# KiCad board Atrocious_Hackpad.kicad_pcb
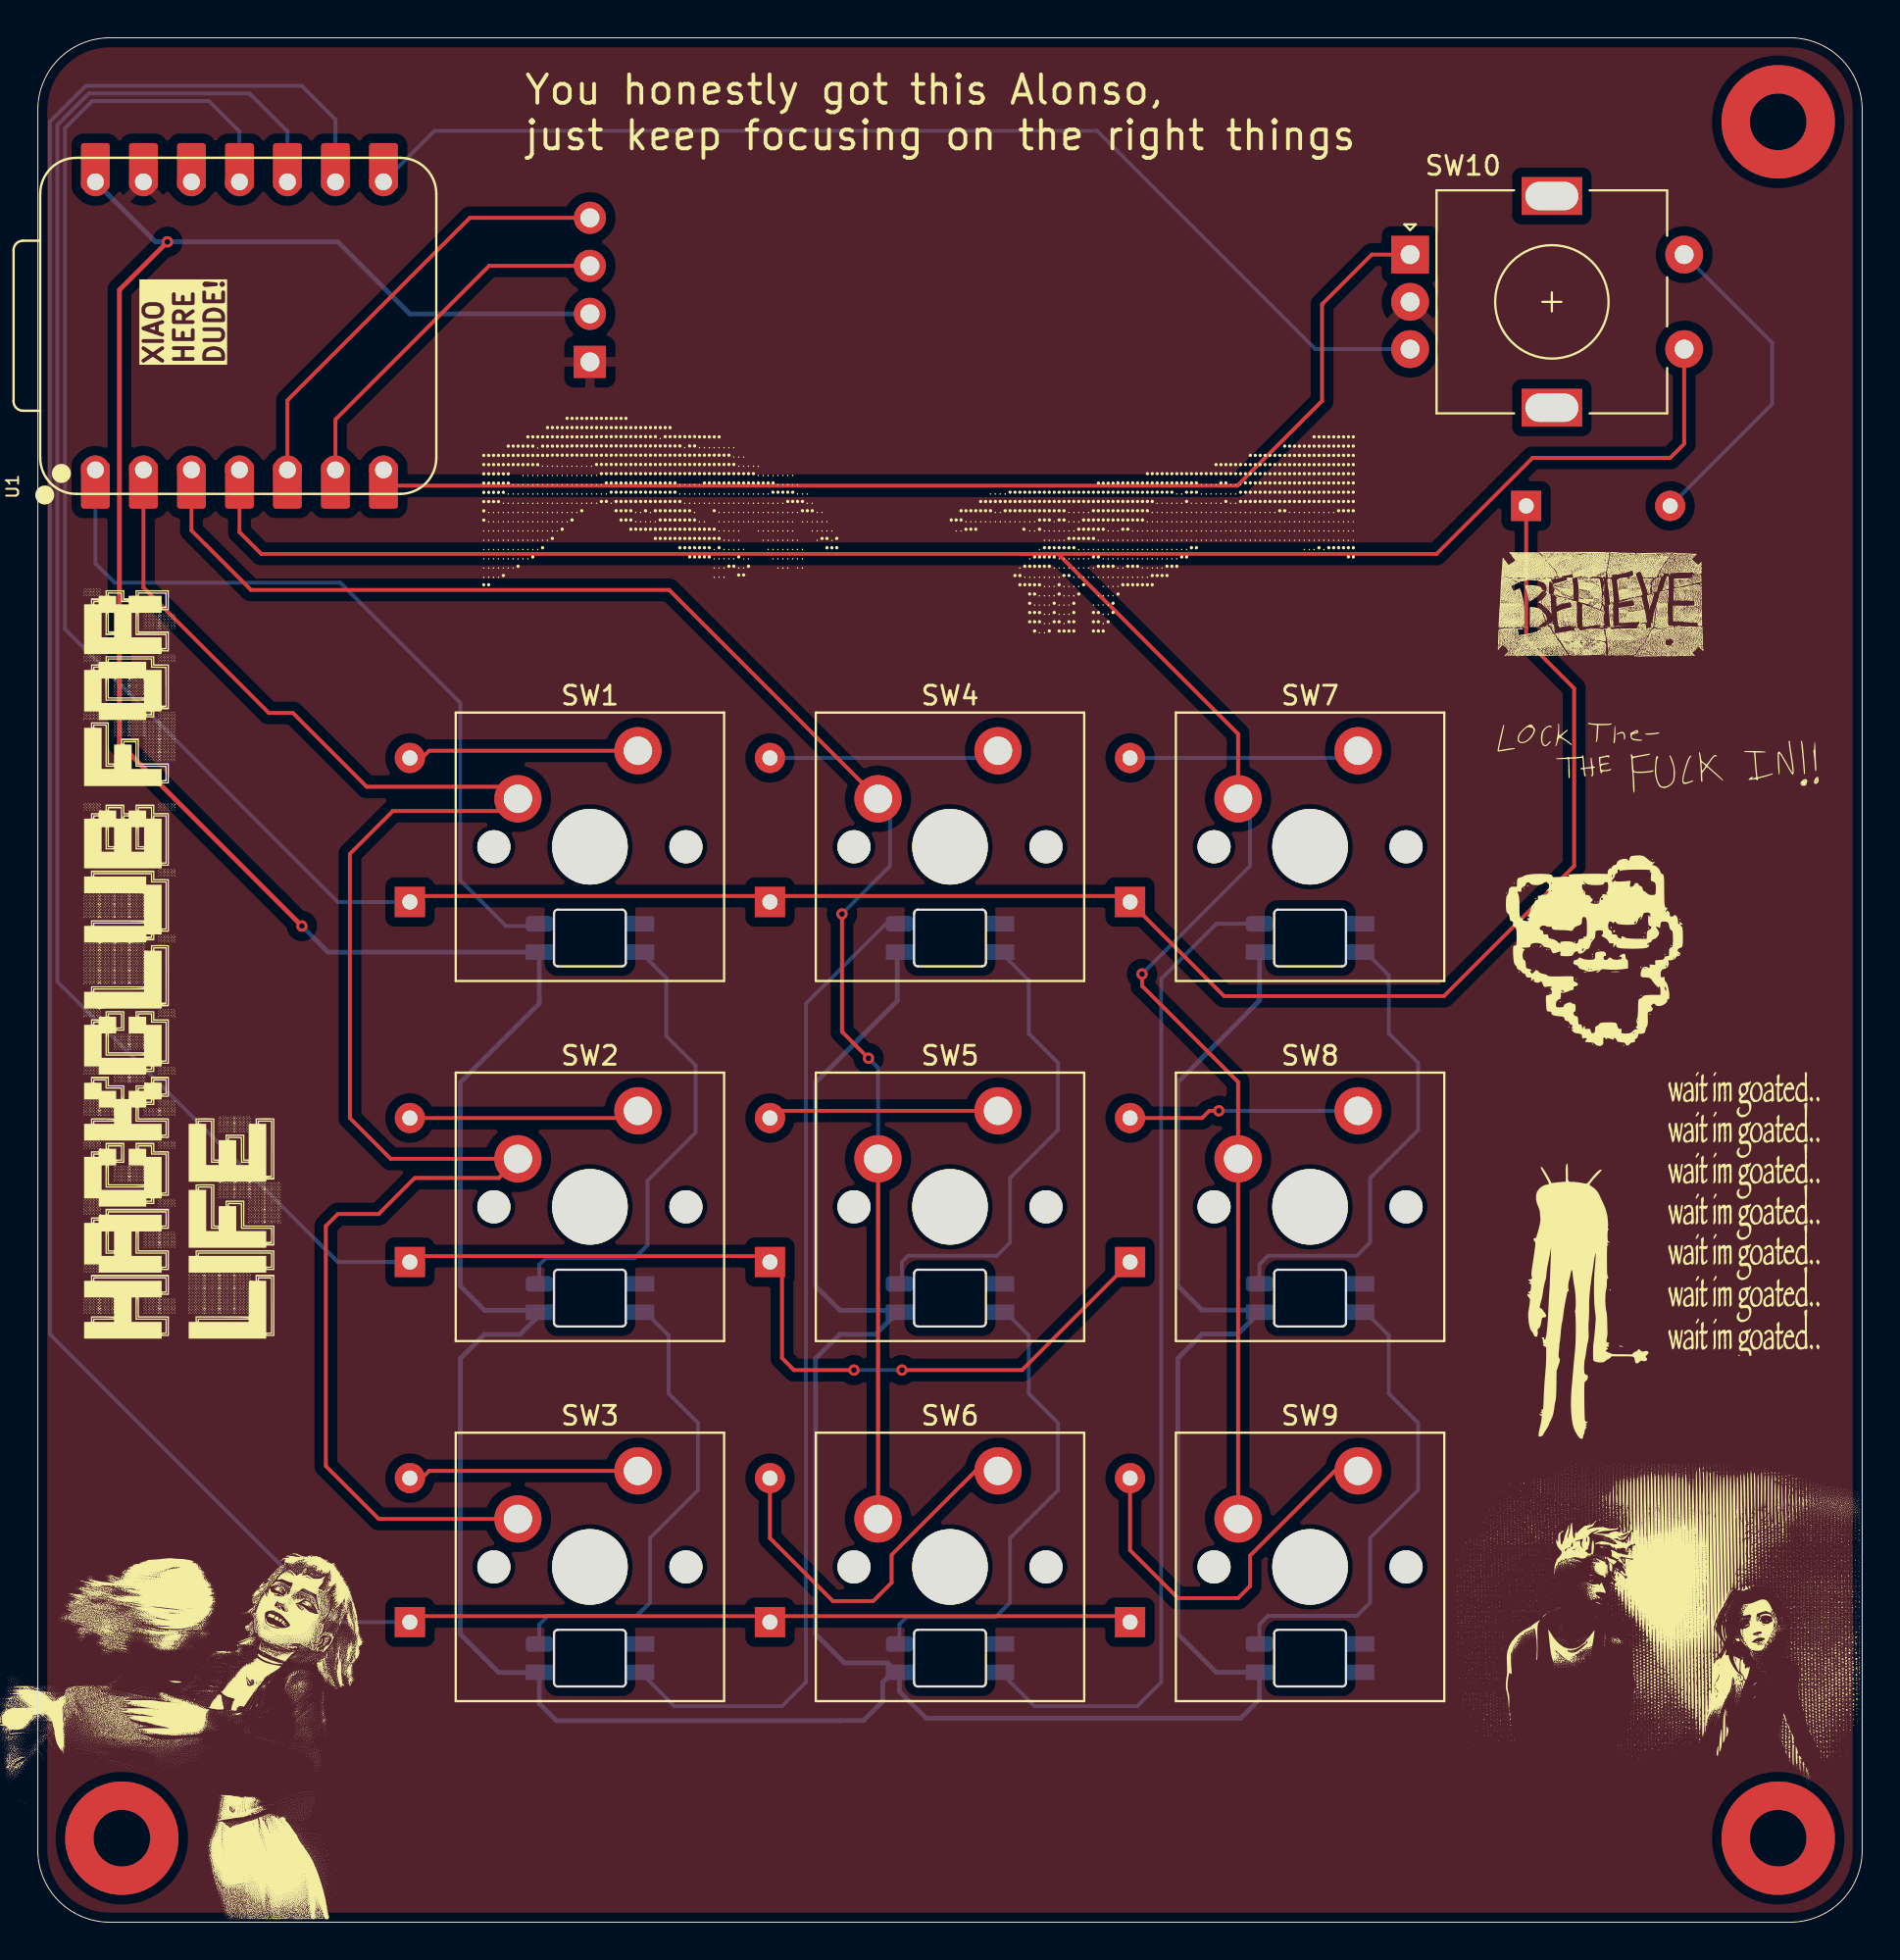
[diagram p0: board, top side]
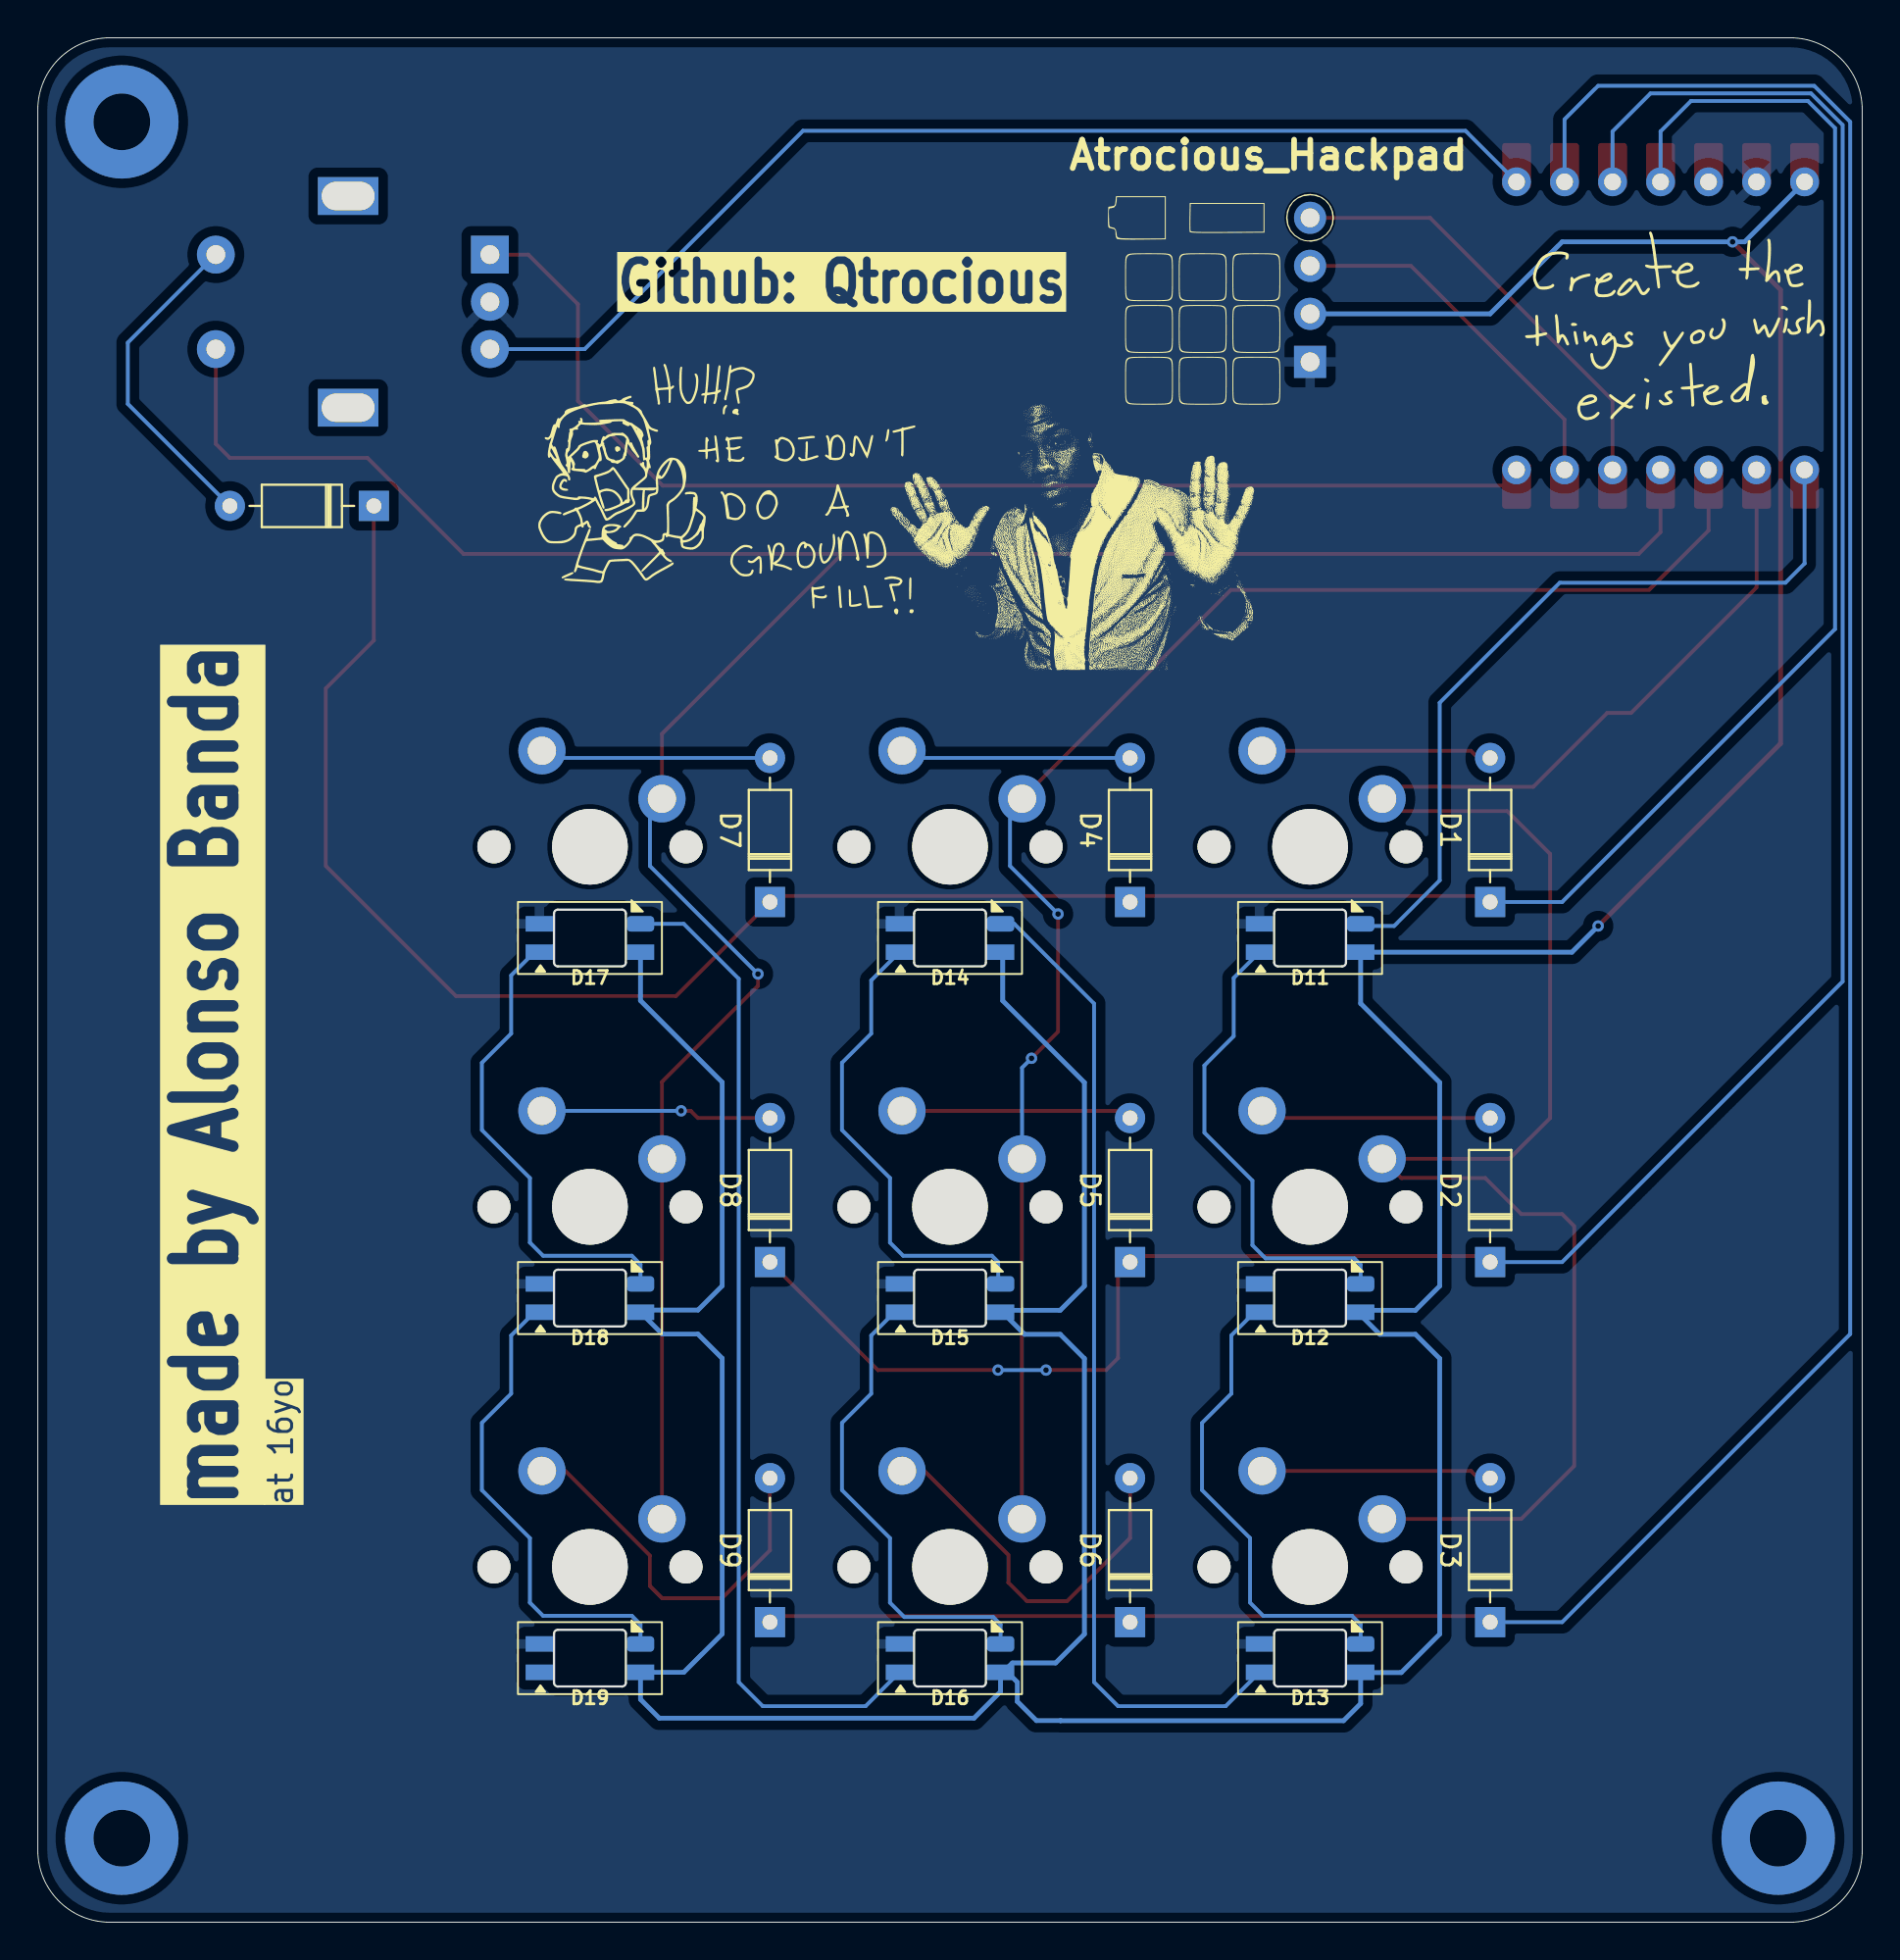
[diagram p1: board, bottom side, seen from below]

Outline 96.52 x 99.7 mm; copper layers: Top, Bottom. Coordinates in mm from the lower left corner of the outline.
Outline path: 0,95.89 0,3.81 arc(1.12,1.12) 3.81,0 92.71,0 arc(95.4,1.12) 96.52,3.81 96.52,95.89 arc(95.4,98.58) 92.71,99.7 3.81,99.7 arc(1.12,98.58) 0,95.89
Stack: Top 0.035mm / dielectric 1.51mm FR4 er 4.5 / Bottom 0.035mm

## Placement (name value [footprint] x y rotation side)
Atrocious_Hackpad  -  [LOGO]  33.95 85.86 180 bottom
D1  1N4148  [D_DO-35_SOD27_P7.62mm_Horizontal]  19.69 53.98 90 bottom
D2  1N4148  [D_DO-35_SOD27_P7.62mm_Horizontal]  19.69 34.92 90 bottom
D3  1N4148  [D_DO-35_SOD27_P7.62mm_Horizontal]  19.69 15.88 90 bottom
D4  1N4148  [D_DO-35_SOD27_P7.62mm_Horizontal]  38.73 53.98 90 bottom
D5  1N4148  [D_DO-35_SOD27_P7.62mm_Horizontal]  38.73 34.92 90 bottom
D6  1N4148  [D_DO-35_SOD27_P7.62mm_Horizontal]  38.73 15.88 90 bottom
D7  1N4148  [D_DO-35_SOD27_P7.62mm_Horizontal]  57.78 53.98 90 bottom
D8  1N4148  [D_DO-35_SOD27_P7.62mm_Horizontal]  57.78 34.92 90 bottom
D9  1N4148  [D_DO-35_SOD27_P7.62mm_Horizontal]  57.78 15.88 90 bottom
D10  1N4148  [D_DO-35_SOD27_P7.62mm_Horizontal]  78.74 74.93 0 bottom
D11  SK6812MINI  [SK6812-MINI-E]  29.21 52.07 180 bottom
D12  SK6812MINI  [SK6812-MINI-E]  29.21 33.02 180 bottom
D13  SK6812MINI  [SK6812-MINI-E]  29.21 13.97 180 bottom
D14  SK6812MINI  [SK6812-MINI-E]  48.26 52.07 180 bottom
D15  SK6812MINI  [SK6812-MINI-E]  48.26 33.02 180 bottom
D16  SK6812MINI  [SK6812-MINI-E]  48.26 13.97 180 bottom
D17  SK6812MINI  [SK6812-MINI-E]  67.31 52.07 180 bottom
D18  SK6812MINI  [SK6812-MINI-E]  67.31 33.02 180 bottom
D19  SK6812MINI  [SK6812-MINI-E]  67.31 13.97 180 bottom
G***  -  [LOGO]  90.17 37.47 0 top
G***#2  -  [LOGO]  85.73 15.24 0 top
G***#3  -  [LOGO]  82.55 51.44 0 top
G***#4  -  [LOGO]  46.61 73.91 0 top
G***#5  -  [LOGO]  82.55 69.78 0 top
G***#6  -  [LOGO]  85.73 61.59 0 top
G***#7  -  [LOGO]  7.49 50.67 90 top
G***#8  -  [LOGO]  78.11 33.02 0 top
G***#9  -  [LOGO]  7.62 10.16 0 top
G***#10  -  [LOGO]  41.82 73.75 180 bottom
G***#11  -  [LOGO]  9.9 84.46 180 bottom
G***#12  -  [LOGO]  60.07 75.82 180 bottom
J1  Conn_01x04  [OLED_128x32]  27.61 92.35 0 top
SW1  SW_Push  [MX_PCB_1.00u]  29.21 56.9 0 top
SW2  SW_Push  [MX_PCB_1.00u]  29.21 37.85 0 top
SW3  SW_Push  [MX_PCB_1.00u]  29.21 18.8 0 top
SW4  SW_Push  [MX_PCB_1.00u]  48.26 56.9 0 top
SW5  SW_Push  [MX_PCB_1.00u]  48.26 37.85 0 top
SW6  SW_Push  [MX_PCB_1.00u]  48.26 18.8 0 top
SW7  SW_Push  [MX_PCB_1.00u]  67.31 56.9 0 top
SW8  SW_Push  [MX_PCB_1.00u]  67.31 37.85 0 top
SW9  SW_Push  [MX_PCB_1.00u]  67.31 18.8 0 top
SW10  RotaryEncoder_Switch  [RotaryEncoder_Alps_EC11E-Switch_Vertical_H20mm]  72.6 88.22 0 top
U1  -  [XIAO-RP2040-DIP]  10.67 84.46 90 top

## Library data of the parts
D1-D10 = -: Datasheet: https://assets.nexperia.com/documents/data-sheet/1N4148_1N4448.pdf; Description: 100V 0.15A standard switching diode, DO-35; Sim.Device: D; Sim.Pins: 1=K 2=A; ki_fp_filters: D*DO?35*
D11-D19 = -: Datasheet: https://cdn-shop.adafruit.com/product-files/2686/SK6812MINI_REV.01-1-2.pdf; Description: RGB LED with integrated controller; ki_fp_filters: LED*SK6812MINI*PLCC*3.5x3.5mm*P1.75mm*
J1 = -: Description: Generic connector, single row, 01x04, script generated (kicad-library-utils/schlib/autogen/connector/); ki_fp_filters: Connector*:*_1x??_*
SW1-SW9 = -: Description: Push button switch, generic, two pins
SW10 = -: Description: Rotary encoder, dual channel, incremental quadrate outputs, with switch; ki_fp_filters: RotaryEncoder*Switch*

## Footprints (pads in the part's own frame, mm; a bottom-side part is the same pattern mirrored in y, then rotated)
D_DO-35_SOD27_P7.62mm_Horizontal
  rect 1.6x1.6 hole 0.8: 1(0,0)
  oval 1.6x1.6 hole 0.8: 2(7.62,0)
MX_PCB_1.00u
  round 1.75 hole 1.75 unplated: (-5.08,0) (5.08,0)
  round 4 hole 4 unplated: (0,0)
  round 2.5 hole 1.5: 1(-3.81,2.54) 2(2.54,5.08)
OLED_128x32
  rect 1.7x1.7 hole 1: 1(1.6,-9.8)
  oval 1.7x1.7 hole 1: 2(1.6,-7.26) 3(1.6,-4.72) 4(1.6,-2.18)
RotaryEncoder_Alps_EC11E-Switch_Vertical_H20mm
  rect 2x2 hole 1: A(0,0)
  round 2 hole 1: B(0,-5) C(0,-2.5) S1(14.5,-5) S2(14.5,0)
  rect 3.2x2 hole 2.8x1.5: MP(7.5,3.1) MP(7.5,-8.1)
SK6812-MINI-E
  rect 1.45x0.82 smd: 1(-2.675,-0.75) 2(-2.675,0.75) 4(2.675,-0.75)
  rrect 1.45x0.82 smd: 3(2.675,0.75)
XIAO-RP2040-DIP
  rrect 2.432x1.524 smd: 1(-8.455,7.62) 2(-8.455,5.08) 3(-8.455,2.54) 4(-8.455,0) 5(-8.455,-2.54) 6(-8.455,-5.08) 7(-8.455,-7.62) 8(8.455,-7.62) 9(8.455,-5.08) 10(8.455,-2.54) 11(8.455,0) 12(8.455,2.54) 13(8.455,5.08) 14(8.455,7.62)
  round 1.524 hole 0.889: 1(-7.62,7.62) 2(-7.62,5.08) 3(-7.62,2.54) 4(-7.62,0) 5(-7.62,-2.54) 6(-7.62,-5.08) 7(-7.62,-7.62) 8(7.62,-7.62) 9(7.62,-5.08) 10(7.62,-2.54) 11(7.62,0) 12(7.62,2.54) 13(7.62,5.08) 14(7.62,7.62)

## Nets
GND: D11.2 D12.2 D13.2 D14.2 D15.2 D16.2 D17.2 D18.2 D19.2 J1.1 SW10.C U1.13
VCC: D11.4 D12.4 D13.4 D14.4 D15.4 D16.4 D17.4 D18.4 D19.4 J1.2 U1.14
Column 1: SW1.1 SW2.1 SW3.1 U1.2
Column 2: SW4.1 SW5.1 SW6.1 U1.3
Column 3: SW7.1 SW8.1 SW9.1 SW10.S1 U1.4
EC11-A: D10.2 SW10.S2
ENC_A: SW10.A U1.7
ENC_B: SW10.B U1.8
Neopixels : D11.3 U1.1
Row 1: D1.1 D4.1 D7.1 D10.1 U1.11
Row 2: D2.1 D5.1 D8.1 U1.10
Row 3: D3.1 D6.1 D9.1 U1.9
SCL: J1.3 U1.6
SDA: J1.4 U1.5
Net-(D1-A): D1.2 SW1.2
Net-(D2-A): D2.2 SW2.2
Net-(D3-A): D3.2 SW3.2
Net-(D4-A): D4.2 SW4.2
Net-(D5-A): D5.2 SW5.2
Net-(D6-A): D6.2 SW6.2
Net-(D7-A): D7.2 SW7.2
Net-(D8-A): D8.2 SW8.2
Net-(D9-A): D9.2 SW9.2
Net-(D11-DOUT): D11.1 D12.3
Net-(D12-DOUT): D12.1 D13.3
Net-(D13-DOUT): D13.1 D14.3
Net-(D14-DOUT): D14.1 D15.3
Net-(D15-DOUT): D15.1 D16.3
Net-(D16-DOUT): D16.1 D17.3
Net-(D17-DOUT): D17.1 D18.3
Net-(D18-DOUT): D18.1 D19.3

Pads without a net: D19 1; SW10 MP; U1 12

## Via types
v1: diameter 6, hole 3, Top to Bottom, 3 vias
v2: diameter 0.6, hole 0.3, Top to Bottom, 8 vias

## Routing (per net, layer and track width the routed paths; a pad name or vN(x,y) marks a point on that pad's centre or on a via; arc(x,y) is an arc through that point)
VCC: length 275.9
  Top w0.25: v2(6.86,88.9) 4.32,86.36 4.32,62.36 v2(13.97,52.7)
  Bottom w0.2: 64.63,13.22 64.64,13.22
  Bottom w0.25: 45.47,13.21 44.96,13.72 42.67,13.72 41.15,15.24 41.15,29.82 42.43,31.1 44.32,31.1 45.47,32.26 ; 64.63,13.22 64.63,11.79 63.64,10.8 46.99,10.8 45.58,12.2 D16.4 ; 45.47,51.31 45.47,48.75 41.15,44.43 41.15,33.66 42.43,32.37 45.36,32.37 ; U1.14 6.22,88.9 v2(6.86,88.9) 15.88,88.9 19.69,85.09 J1.2 ; 64.64,51.32 64.64,48.76 60.31,44.44 60.31,33.67 61.59,32.39 64.52,32.39 64.64,32.27 63.48,31.12 61.59,31.12 60.31,29.83 60.31,15.25 62.34,13.22 64.64,13.22 ; v2(13.97,52.7) 15.35,51.32 D11.4 ; 26.67,51.31 26.53,51.17 26.53,48.61 22.35,44.43 22.35,33.66 23.63,32.37 26.43,32.37 D12.4 26.53,32.12 25.52,31.1 23.63,31.1 22.35,29.82 22.35,15.24 24.38,13.21 26.52,13.21 D13.4 26.53,11.56 27.44,10.66 42.41,10.66 42.42,10.67 43.69,10.67 44.7,11.68 44.7,12.7 45.08,13.08
(no net):
  vias: v1(4.44,4.45) v1(92.08,95.25) v1(92.08,4.45)
Column 1: length 99.3
  Top w0.2: SW3.1 18.03,21.34 15.24,24.13 15.24,36.83 15.88,37.47 18.03,37.47 19.94,39.37 24.38,39.37 SW2.1 18.67,40.39 16.51,42.55 16.51,56.52 18.78,58.78 24.75,58.78 SW1.1 24.77,60.07 17.4,60.07 13.5,63.97 12.23,63.97 5.59,70.61 U1.2
Column 2: length 84.8
  Top w0.2: U1.3 8.13,73.63 11.27,70.49 33.4,70.49 SW4.1 ; v2(42.55,53.34) 42.55,47.11 v2(43.95,45.71) ; SW6.1 SW5.1
  Bottom w0.2: SW4.1 45.08,58.8 45.08,55.88 v2(42.55,53.34) ; v2(43.95,45.71) 44.45,45.2 SW5.1
Column 3: length 148.4
  Top w0.2: v2(58.42,50.17) 58.42,49.53 63.5,44.45 SW8.1 SW9.1 ; 52.07,72.39 11.82,72.39 10.67,73.54 U1.4 ; 52.07,72.39 74,72.39 79.08,77.47 86.36,77.47 87.1,78.21 SW10.S1 ; 52.07,72.39 53.98,72.39 63.5,62.87 SW7.1
  Bottom w0.2: v2(58.42,50.17) 64.14,55.88 64.14,58.8 SW7.1
EC11-A: length 17.5
  Bottom w0.2: D10.2 91.76,80.33 91.76,83.57 SW10.S2
ENC_A: length 62.4
  Top w0.2: U1.7 63.46,76 67.95,80.49 67.95,85.6 70.57,88.22 SW10.A
ENC_B: length 60.2
  Bottom w0.2: SW10.B 67.59,83.22 56.04,94.77 20.99,94.77 U1.8
Neopixels : length 41.9
  Bottom w0.2: 3.05,76.84 3.05,71.88 4.06,70.87 16,70.87 22.35,64.52 22.35,55.12 24.77,52.7 26.42,52.7 D11.3
Row 1: length 151
  Top w0.2: D10.1 78.74,67.82 81.28,65.28 81.28,55.88 74.4,49 62.76,49 D7.1 57.47,54.29 39.05,54.29 D4.1 38.42,54.29 20,54.29 D1.1
  Bottom w0.2: U1.11 10.67,94.74 9.06,96.35 2.87,96.35 1.44,94.92 1.44,68.41 15.88,53.98 D1.1
Row 2: length 132.2
  Top w0.2: D2.1 20,35.24 38.42,35.24 D5.1 39.37,34.29 39.37,29.84 40.01,29.21 v2(43.18,29.21) ; v2(45.72,29.21) 52.07,29.21 D8.1
  Bottom w0.2: D2.1 15.88,34.92 1.04,49.76 1.04,95.08 2.71,96.75 11.2,96.75 13.21,94.74 U1.10 ; v2(45.72,29.21) v2(43.18,29.21)
Row 3: length 148.1
  Top w0.2: D9.1 57.47,16.19 39.05,16.19 D6.1 38.42,16.19 20,16.19 D3.1
  Bottom w0.2: U1.9 15.75,95.38 13.97,97.16 2.54,97.16 0.63,95.25 0.63,31.12 15.88,15.88 D3.1
SCL: length 20.3
  Top w0.2: J1.3 23.88,87.63 15.75,79.5 U1.6
SDA: length 24.5
  Top w0.2: J1.4 22.86,90.17 13.21,80.52 U1.5
Net-(D1-A): length 12.2
  Top w0.2: SW1.2 20.7,61.98 20.32,61.59 19.69,61.59
Net-(D2-A): length 12.2
  Top w0.2: D2.2 31.37,42.55 SW2.2
Net-(D3-A): length 12.2
  Top w0.2: D3.2 20.32,23.5 20.7,23.88 SW3.2
Net-(D4-A): length 12.2
  Bottom w0.2: SW4.2 50.42,61.59 38.73,61.59
Net-(D5-A): length 12.2
  Top w0.2: D5.2 39.12,42.93 SW5.2
Net-(D6-A): length 20.3
  Top w0.2: D6.2 38.73,20.32 42.06,16.99 44.2,16.99 45.17,17.96 45.17,19.44 49.61,23.88 SW6.2
Net-(D7-A): length 12.2
  Bottom w0.2: 57.78,61.59 69.47,61.59 SW7.2
Net-(D8-A): length 12.2
  Top w0.2: v2(62.48,42.93) 61.98,42.93 61.59,42.55 D8.2
  Bottom w0.2: v2(62.48,42.93) SW8.2
Net-(D9-A): length 20.7
  Top w0.2: D9.2 57.78,19.68 60.32,17.14 60.33,17.15 63.5,17.15 64.14,17.78 64.14,19.4 68.62,23.88 SW9.2
Net-(D11-DOUT): length 24.9
  Bottom w0.2: D11.1 33.25,49.95 33.25,46.88 34.8,45.33 34.8,41.77 32.26,39.23 32.26,35.82 31.56,35.12 26.87,35.12 26.53,34.79 D12.3
Net-(D12-DOUT): length 25.2
  Bottom w0.2: D12.1 32.15,32.27 33.38,31.04 33.38,27.96 34.92,26.42 34.92,22.86 32.38,20.32 32.38,16.91 31.69,16.21 26.99,16.21 26.53,15.75 D13.3
Net-(D13-DOUT): length 52.6
  Bottom w0.2: D14.3 44.86,52.82 40.64,48.6 40.64,12.7 39.37,11.43 33.67,11.43 D13.1
Net-(D14-DOUT): length 25
  Bottom w0.2: D15.3 45.71,33.9 45.71,34.93 46.04,35.26 50.74,35.26 51.43,35.95 51.43,39.37 53.98,41.91 53.98,45.47 52.43,47.01 52.43,49.83 D14.1
Net-(D15-DOUT): length 25.1
  Bottom w0.2: 45.71,14.86 45.58,14.98 45.58,15.75 45.98,16.15 50.68,16.15 51.43,16.91 51.43,20.32 53.98,22.86 53.98,26.42 52.43,27.96 52.43,31.04 51.2,32.27 D15.1
Net-(D16-DOUT): length 53.4
  Bottom w0.2: D16.1 52.73,11.43 58.17,11.43 59.44,12.7 59.44,49.91 62.34,52.82 64.64,52.82
Net-(D17-DOUT): length 25.1
  Bottom w0.2: D17.1 70.25,51.32 71.48,50.09 71.48,47.01 73.02,45.47 73.02,41.91 70.48,39.37 70.48,35.95 69.79,35.26 65.09,35.26 64.64,34.8 64.64,34.03 64.76,33.91
Net-(D18-DOUT): length 25.2
  Bottom w0.2: 64.64,14.72 64.64,15.75 65.09,16.21 69.79,16.21 70.48,16.91 70.48,20.32 73.02,22.86 73.02,26.42 71.48,27.96 71.48,31.04 70.25,32.27 D18.1

## Copper pours and planes (outline as drawn; the poured copper is in the pictures)
GND on Top: -1.11,101.92 115.57,104.3 98.9,-2.86 -3.49,-2.86
GND on Bottom: -1.11,99.54 115.57,101.92 98.9,68.58 104.14,-6.98 77.47,-7.62 1.27,-7.62 -3.49,4.29

## Text on the board
B.Silkscreen: at 16yo | Github: Qtrocious | made by Alonso Banda
F.Silkscreen: XIAO / HERE / DUDE! | You honestly got this Alonso, / just keep focusing on the right things
